# Altium PCB 主板.PcbDoc (part 1 of 2)
Units mil, origin at the board's own origin, x right, y up, seen from the top; angles counter-clockwise.
Board outline 7995 x 3149.61 mil, 2 copper layers (Top Layer, Bottom Layer); 88 components, 104 nets, 424 pads, 124 vias.
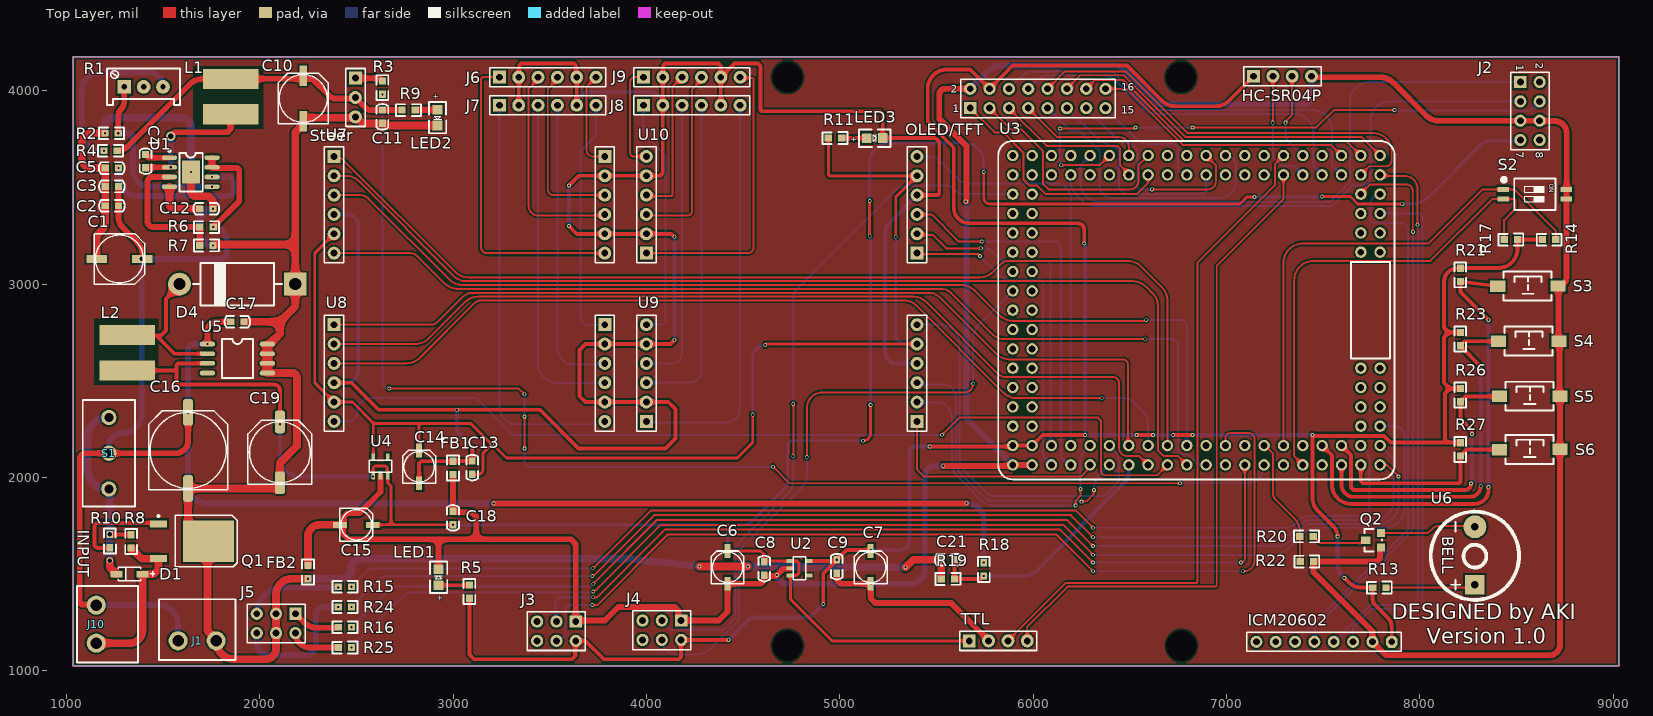
[diagram p0: Top Layer view]
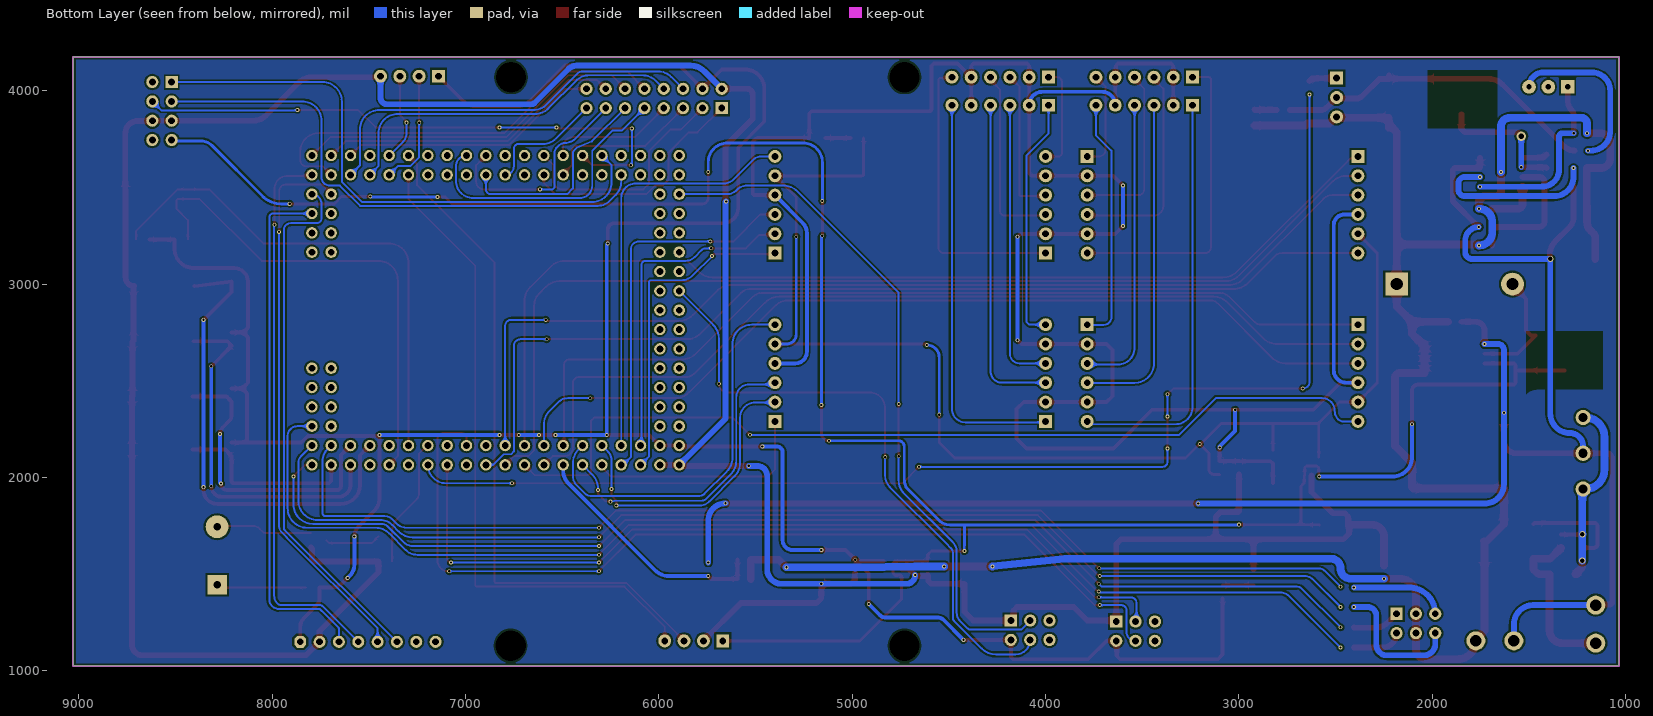
[diagram p1: Bottom Layer view, seen from below]

## Layer stack, top to bottom
Top Solder: solder mask 0.4, Solder Resist, Dk 3.5
Top Layer: signal copper 1.4
Dielectric 1: dielectric 12.6, FR-4, Dk 4.8
Bottom Layer: signal copper 1.4
Bottom Solder: solder mask 0.4, Solder Resist, Dk 3.5

## Board outline
1035,1025 1035,4174.61 9030,4174.61 9030,1025

## Design rules (kind name [scope] priority, off if disabled: settings)
Clearance [All] p1: gap=10 ignorepadtopadclearanceinfootprint=FALSE except(0: Arc-Hole Track-Hole SMDPad-Hole THPad-Hole Via-Hole Fill-Hole Poly-Hole Region-Hole Text-Hole)
DiffPairsRouting [All] p1: maxlimit=10 minlimit=5 mostfreqgap=10 toplayer_minwidth=15 toplayer_maxwidth=15 toplayer_prefwidth=15 bottomlayer_minwidth=15 bottomlayer_maxwidth=15 bottomlayer_prefwidth=15 maxuncoupledlength=500
HoleToHoleClearance [All] p1: gap=0 allowstackedmicrovias=TRUE
MinimumSolderMaskSliver [All] p1: minsoldermaskwidth=0
PolygonConnect [All] p1: connectstyle=Relief reliefconductorwidth=10 reliefentries=4 polygonreliefangle="90 Angle" airgapwidth=10
RoutingVias [All] p1: holewidth=28 width=50 viastyle="Through Hole" minholewidth=28 minwidth=50 maxholewidth=28 maxwidth=50
SilkToSilkClearance [All] p1: silktosilkclearance=0
SilkToSolderMaskClearance [IsPad] p1: minsilkscreentomaskgap=0 clearancetoexposedcopper=TRUE
SolderMaskExpansion [All] p1: expansion=4 istentingtop=FALSE
Width [All] p1: maxlimit=50 minlimit=10 preferedwidth=10
25 further rules are at their usual default settings.

## Components (designator, comment, footprint, x,y, rotation, side; value= is the part's Value field where it differs from the comment)
C1 "25V 100uF" "电解电容25v 100uf" 1275,3130 r180 top
C2 "100nF" C0603 1201,3405 r0 top
C3 "10uF" C0603 1201,3505 r0 top
C4 "100nF" C0603 1410,3601 r90 top
C5 "1uF" C0603 1270,3600 r180 top
C6 "10uF 16V" "电解电容16V 10uf" 4420,1535 r270 top
C7 "10uF 16V" "电解电容16V 10uf" 5160,1535 r270 top
C8 "100nF" C0603 4610,1564 r270 top
C9 "100nF" C0603 4985,1574 r270 top
C10 "16V 220uF" "电解电容16v 220uf" 2225,3960 r270 top
C11 "100nF" C0603 2635,3900 r270 top
C12 "100nF" C0603 1759,3390 r180 top
C13 "100nF" C0603 3100,2016 r90 top
C14 "16V 10uF" "电解电容16V 10uf" 2825,2055 r270 top
C15 "16V 10uF" "电解电容16V 10uf" 2500,1755 r180 top
C16 "470uF 35V" "电解电容470uf 35V" 1630,2140 r270 top
C17 "1uF" C0603 1850,2805 r0 top
C18 "100nF" C0603 3000,1756 r90 top
C19 "220uF 35V" "电解电容220 35" 2105,2130 r270 top
C21 "100nF" C0603 5594,1575 r180 top
D1 "BZT52C16" SOD123（BZT52C) 1393.86,1500 r0 top
D4 "1N5820" DO-201AD（1N5820） 1885,3000 r180 top
FB1 "0R" R0603 3000,2084 r270 top
FB2 "0R" R0603 2250,1476 r90 top
HC-SR04P "Header4" 超声波 7290,4075 r0 top
ICM20602 "Header8" ICM20602 7855,1150 r180 top
J1 "电机" 螺柱 1775,1155 r180 top
J2 "Header4*2" 外部串口2*4 8570,3895 r270 top
J3 "Header 3*2" 编码器2*3 3535,1205 r180 top
J4 "Header 3*2" 编码器2*3 4080,1210 r180 top
J5 "Header 3*2" 电机信号 2085,1245 r180 top
J6 "Header6" 电磁接口1*6 3490,4070 r0 top
J7 "Header6" 电磁接口1*6 3490,3925 r0 top
J8 "Header6" 电磁接口1*6 4235,3925 r0 top
J9 "Header6" 电磁接口1*6 4235,4070 r0 top
J10 "电源接入插头" 螺柱 1155,1143.15 r90 top
L1 "3.3uH" 贴片电感7*7 1850,3970 r90 top
L2 "68uH 3A" 贴片电感7*7 1315,2645 r90 top
LED1 "红色" LED0805 2925.2,1442.7 r90 top
LED2 "红色" LED0805 2919.8,3902.3 r270 top
LED3 "红色" LED0805 5140,3755 r0 top
OLED/TFT "Header8*2" OLED 6025,3960 r0 top
Q1 "IRF3710" TO252 1650,1670 r0 top
Q2 "S8050" SOT23（S8050） 7800.63,1633.12 r90 top
R1 "100K" 电位器 1400,4020 r0 top
R2 "15K" R0603 1269,3780 r180 top
R3 "1K" R0603 2635,4050 r270 top
R4 "100K" R0603 1195,3690 r0 top
R5 "2.7K" R0603 3085,1444 r270 top
R6 "10K" R0603 1691,3295 r0 top
R7 "10K" R0603 1690,3200 r0 top
R8 "100K" R0603 1335,1635 r90 top
R9 "10K" R0603 2736,3900 r0 top
R10 "1K" R0603 1225,1636 r90 top
R11 "2.7K" R0603 5010,3755 r180 top
R13 "10R" R0603 7825,1430 r180 top
R14 "4.7K" R0603 8635,3230 r0 top
R15 "100R" R0603 2406,1435 r0 top
R16 "100R" R0603 2475,1225 r180 top
R17 "4.7K" R0603 8505,3230 r180 top
R18 "200K" R0603 5745,1490 r90 top
R19 "100K" R0603 5525,1475 r0 top
R20 "4.7K" R0603 7449,1695 r180 top
R21 "4.7K" R0603 8210,3082.75 r270 top
R22 "10K" R0603 7450,1565 r180 top
R23 "4.7K" R0603 8210,2750 r270 top
R24 "100R" R0603 2406,1330 r0 top
R25 "100R" R0603 2475,1120 r180 top
R26 "4.7K" R0603 8210,2460 r270 top
R27 "4.7K" R0603 8210,2180 r270 top
S1 "ON/OFF" 总开关2 1220,2125 r90 top
S2 "" 拨码开关2pin 8595,3465 r270 top
S3 "" 微动开关 8560,2990 r0 top
S4 "" 微动开关 8565,2705 r0 top
S5 "" 微动开关 8570,2420 r0 top
S6 "" 微动开关 8570,2145 r0 top
Steer "Header3" 舵机1*3 2495,3965 r270 top
TTL "Header4" TTL 5820,1155 r0 top
U1 "SY8205FCC" SO8E（SY8205） 1533.77,3653.8 r0 top
U2 "RT9013-33" SOT23-5（RT9013） 4745,1567.4 r270 top
U3 "TC364_CoreBoard" TC364_CoreBoard 5895,2065 r90 top
U4 "RT9013-33" SOT23-5（RT9013） 2587.6,2010 r0 top
U5 "LX1509" SOIC8 1885,2615 r0 top
U6 "蜂鸣器" 蜂鸣器 8285,1445 r90 top
U7 "OPA MOD 1" 运放排母 3085,3410 r270 top
U8 "OPA MOD 2" 运放排母 3085,2540 r270 top
U9 "OPA MOD 3" 运放排母 4700,2540 r90 top
U10 "OPA MOD 4" 运放排母 4700,3410 r90 top

## Footprints (in the part's own frame and the unit in brackets; to place one, negate y for a bottom-side part, rotate by r counter-clockwise, add the part's x,y. Pads: shape width x height; smd on the part's side, far side on the other; paste and mask are expansions set on the pad)
C0603 [mil]
  rect 38x35 smd: 1(0,0) 2(69,0)
  silkscreen extent -31,-30 101,30, body extent 4,-16 67,16, height 12
DO-201AD（1N5820） [mm] "5.2*15.2mm(直径，脚距）"
  rect 3x3 hole 1.6: 1(-7.6,0)
  round 3 hole 1.6: 2(7.6,0)
  silkscreen extent -5.84,-2.79 5.84,2.79, body extent -8.25,-2.6 8.25,2.6, height 5.25
ICM20602 [mil]
  oct 62x62 hole 35: 1(0,0)
  round 62 hole 35: 2(100,0) 3(200,0) 4(300,0) 5(400,0) 6(500,0) 7(600,0) 8(700,0)
  silkscreen extent -50,-50 750,50
LED0805 [mil] "1/8W"
  rect 50x50 smd: 1(0,0) 2(82.3,0.2)
  silkscreen extent -40,-45 122,45, body extent 2,-25 80,25, height 20
OLED [mm] "双排排针，8x2脚"
  rect 1.6x1.6 hole 0.9: 1(-8.89,-1.27)
  round 1.6 hole 0.9: 2(-8.89,1.27) 3(-6.35,-1.27) 4(-6.35,1.27) 5(-3.81,-1.27) 6(-3.81,1.27) 7(-1.27,-1.27) 8(-1.27,1.27) 9(1.27,-1.27) 10(1.27,1.27) 11(3.81,-1.27) 12(3.81,1.27) 13(6.35,-1.27) 14(6.35,1.27) 15(8.89,-1.27) 16(8.89,1.27)
  silkscreen extent -10.16,-2.54 10.16,2.54, body extent -10.16,-2.54 10.16,2.54, height 8.5
R0603 [mil] "1/10W"
  rect 38x35 smd: 1(0,0) 2(69,0)
  silkscreen extent -30,-31 99,30, body extent 4,-16 66,16, height 18
SO8E（SY8205） [mil]
  oval 80x24 smd: 1(0,0) 2(0,-50) 3(0,-100) 4(0,-150) 5(220,-150) 6(220,-100) 7(220,-50) 8(220,0)
  rect 90.55x117.72 smd: 9(111.23,-73.8)
  silkscreen extent -5,-175 172,40, body extent -8,-173 230,25, height 63
SOD123（BZT52C) [mm] "1206"
  rect 1.6x0.85 smd: 1(0,0) 2(-3.4,0)
  silkscreen extent -3.15,-0.9 1.6,0.9, body extent -3.6,-0.85 0.25,0.85, height 1.42
SOIC8 [mil]
  oval 80x24 smd: 1(-155,75) 2(-155,25) 3(-155,-25) 4(-155,-75) 5(155,-75) 6(155,-25) 7(155,25) 8(155,75)
  silkscreen extent -80,-100 80,100, body extent -167,-106 163,106, height 91
SOT23-5（RT9013） [mm]
  rect 0.5x1 smd: 1(0,0) 2(0.95,0) 3(1.9,0) 4(1.9,2.4) 5(0,2.4)
  silkscreen extent -0.55,0.4 2.45,2, body extent -0.5,-0.2 2.4,2.6, height 1.09
SOT23（S8050） [mil]
  rect 40x40 smd: 1(4.88,0.63) 3(79.88,0.63)
  rect 40x50 smd: 2(41.88,80.63)
  silkscreen extent -15,-4 100,86, body extent -15,-11 99,99, height 47
TC364_CoreBoard [mm] "逐飞科技TC364核心板"
  round 1.5 hole 0.9: 1(0,0) 2(2.54,0) 3(0,-2.54) 4(2.54,-2.54) 5(0,-5.08) 6(2.54,-5.08) 7(0,-7.62) 8(2.54,-7.62) 9(0,-10.16) 10(2.54,-10.16) 11(0,-12.7) 12(2.54,-12.7) 13(0,-15.24) 14(2.54,-15.24) 15(0,-17.78) 16(2.54,-17.78) 17(0,-20.32) 18(2.54,-20.32) 19(0,-22.86) 20(2.54,-22.86) 21(0,-25.4) 22(2.54,-25.4) 23(0,-27.94) 24(2.54,-27.94) 25(0,-30.48) 26(2.54,-30.48) 27(0,-33.02) 28(2.54,-33.02) 29(0,-35.56) 30(2.54,-35.56) 31(0,-38.1) 32(2.54,-38.1) 33(0,-40.64) 34(2.54,-40.64) 35(0,-43.18) 36(2.54,-43.18) 37(0,-45.72) 38(2.54,-45.72) 39(0,-48.26) 40(2.54,-48.26) 41(5.08,-48.26) 42(5.08,-45.72) 43(7.62,-48.26) 44(7.62,-45.72) 45(10.16,-48.26) 46(10.16,-45.72) 47(12.7,-48.26) 48(12.7,-45.72) 49(27.94,-45.72) 50(27.94,-48.26) 51(30.48,-45.72) 52(30.48,-48.26) 53(33.02,-45.72) 54(33.02,-48.26) 55(35.56,-45.72) 56(35.56,-48.26) 57(38.1,-48.26) 58(40.64,-48.26) 59(38.1,-45.72) 60(40.64,-45.72) 61(38.1,-43.18) 62(40.64,-43.18) 63(38.1,-40.64) 64(40.64,-40.64) 65(38.1,-38.1) 66(40.64,-38.1) 67(38.1,-35.56) 68(40.64,-35.56) 69(38.1,-33.02) 70(40.64,-33.02) 71(38.1,-30.48) 72(40.64,-30.48) 73(38.1,-27.94) 74(40.64,-27.94) 75(38.1,-25.4) 76(40.64,-25.4) 77(38.1,-22.86) 78(40.64,-22.86) 79(38.1,-20.32) 80(40.64,-20.32) 81(38.1,-17.78) 82(40.64,-17.78) 83(38.1,-15.24) 84(40.64,-15.24) 85(38.1,-12.7) 86(40.64,-12.7) 87(38.1,-10.16) 88(40.64,-10.16) 89(38.1,-7.62) 90(40.64,-7.62) 91(38.1,-5.08) 92(40.64,-5.08) 93(38.1,-2.54) 94(40.64,-2.54) 95(38.1,0) 96(40.64,0) 97(35.56,-2.54) 98(35.56,0) 99(33.02,-2.54) 100(33.02,0) 101(30.48,-2.54) 102(30.48,0) 103(27.94,-2.54) 104(27.94,0) 105(25.4,-2.54) 106(25.4,0) 107(22.86,-2.54) 108(22.86,0) 109(20.32,-2.54) 110(20.32,0) 111(17.78,-2.54) 112(17.78,0) 113(15.24,-2.54) 114(15.24,0) 115(12.7,-2.54) 116(12.7,0) 117(10.16,-2.54) 118(10.16,0) 119(7.62,-2.54) 120(7.62,0) 121(5.08,-2.54) 122(5.08,0)
  silkscreen extent -1.91,-50.16 42.55,1.91
TO252 [mm] "D-PAK  / SOT-428"
  rect 2.2x0.95 smd: 1(-4.4,2.28) 3(-4.4,-2.28)
  rect 6.7x5.5 smd: 2(2.15,0)
  silkscreen extent -4.52,-3.35 5.94,3.43, body extent -4.47,-3.3 4.78,3.3, height 2.31
TTL [mm] "排针，4脚"
  rect 1.7x1.7 hole 0.9: 1(-3.81,0)
  round 1.7 hole 0.9: 2(-1.27,0) 3(1.27,0) 4(3.81,0)
  silkscreen extent -5.08,-1.27 5.08,1.27, body extent -5.08,-1.27 5.08,1.27, height 8.5
外部串口2*4 [mm] "双排排针，4x2脚"
  rect 1.6x1.6 hole 0.9: 1(-3.81,-1.27)
  round 1.6 hole 0.9: 2(-3.81,1.27) 3(-1.27,-1.27) 4(-1.27,1.27) 5(1.27,-1.27) 6(1.27,1.27) 7(3.81,-1.27) 8(3.81,1.27)
  silkscreen extent -5.08,-2.54 5.08,2.54, body extent -5.08,-2.54 5.08,2.54, height 8.5
微动开关 [mm] "3*6*2.5mm"
  rect 2x1.5 smd: 1(-3.996,-0.02) 2(3.937,0)
  silkscreen extent -3.21,-1.9 3.09,1.9, body extent -4,-1.88 4,1.62, height 2.59
总开关2 [mm] "脚距3mm"
  round 2 hole 1.2: 1(-4.7,0) 2(0,0) 3(4.7,0)
  silkscreen extent -7,-3.43 7,3.43, body extent -7,-3.1 7,3.1, height 9.65
拨码开关2pin [mm] "长：4.14mm，宽：5.4mm，高：2.3mm"
  rect 0.65x1.5 smd: 1(-0.635,-4.15) 2(0.635,-4.15) 3(0.635,4.15) 4(-0.635,4.15)
  silkscreen extent -2.15,-4.31 2.07,2.7, body extent -2.07,-4.35 2.07,4.35, height 2.35
电位器 [mm] "Precise Multi-Winding Adjustable Resistor"
  rect 1.8x1.8 hole 0.7: 1(-2.54,0)
  round 1.8 hole 0.7: 2(0,0) 3(2.54,0)
  silkscreen extent -4.8,-2.4 4.8,2.4, body extent -4.75,-2.4 4.75,2.4, height 11.52
电机信号 [mm] "双排排针，3x2脚"
  rect 1.6x1.6 hole 0.9: 1(-2.54,-1.27)
  round 1.6 hole 0.9: 2(-2.54,1.27) 3(0,-1.27) 4(0,1.27) 5(2.54,-1.27) 6(2.54,1.27)
  silkscreen extent -3.81,-2.54 3.81,2.54, body extent -3.81,-2.54 3.81,2.54, height 8.5
电磁接口1*6 [mm] "排针，6脚"
  rect 1.7x1.7 hole 0.9: 1(-6.35,0)
  round 1.7 hole 0.9: 2(-3.81,0) 3(-1.27,0) 4(1.27,0) 5(3.81,0) 6(6.35,0)
  silkscreen extent -7.62,-1.27 7.62,1.27, body extent -7.62,-1.27 7.62,1.27, height 8.5
"电解电容16V 10uf" [mm] "直径4mm（蒜米工坊）"
  rect 1.8x0.8 smd: 1(-2.15,0) 2(2.15,0)
  silkscreen extent -2.15,-2.15 2.15,2.15, body extent -2.29,-2.16 2.31,2.14, height 5.2
"电解电容16v 220uf" [mm] "直径6.3mm（蒜米工坊）"
  rect 2.7x1 smd: 1(-3,0) 2(3,0)
  silkscreen extent -3.3,-3.3 3.3,3.3, body extent -3.5,-3.3 3.5,3.3, height 5.2
"电解电容25v 100uf" [mm] "直径6.3mm（蒜米工坊）"
  rect 2.7x1 smd: 1(-3,0) 2(3,0)
  silkscreen extent -3.3,-3.3 3.3,3.3, body extent -3.5,-3.3 3.5,3.3, height 5.2
"电解电容220 35" [mm] "直径8mm（蒜米工坊）"
  rrect50% 3x1.3 smd: 1(-4,0) 2(4,0)
  silkscreen extent -4.2,-4.2 4.2,4.2, body extent -4.52,-4.22 4.48,4.08, height 10.5
"电解电容470uf 35V" [mm] "直径10mm（蒜米工坊）"
  rrect50% 3.5x1.3 smd: 1(-5,0) 2(5,0)
  silkscreen extent -5.2,-5.2 5.2,5.2, body extent -5.77,-5.12 5.83,5.18, height 10.21
编码器2*3 [mm] "双排排针，3x2脚"
  rect 1.6x1.6 hole 0.9: 1(-2.54,-1.27)
  round 1.6 hole 0.9: 2(-2.54,1.27) 3(0,-1.27) 4(0,1.27) 5(2.54,-1.27) 6(2.54,1.27)
  silkscreen extent -3.81,-2.54 3.81,2.54, body extent -3.81,-2.54 3.81,2.54, height 8.5
舵机1*3 [mm] "排针，3脚"
  rect 1.7x1.7 hole 0.9: 1(-2.54,0)
  round 1.7 hole 0.9: 2(0,0) 3(2.54,0)
  silkscreen extent -3.81,-1.27 3.81,1.27, body extent -3.81,-1.27 3.81,1.27, height 8.5
蜂鸣器 [mm]
  rect 2.54x2.54 hole 1: 1(0,0)
  round 3 hole 1: 2(7.62,0)
  silkscreen extent -1.99,-5.8 9.61,5.8
螺柱 [mm]
  round 2.5 hole 1.5: 1(0,0) 2(5,0)
  silkscreen extent -2.54,-5.46 7.49,2.54, body extent -2.5,-5.5 7.5,2.5, height 11
贴片电感7*7 [mm] "POWER INDUCTOR 5uH"
  rect 2.65x7.3 smd: 1(-2.325,0) 2(2.325,0)
  body extent -3.36,-3.33 3.34,3.37, height 2.9
超声波 [mm] "排针，4脚"
  rect 1.7x1.7 hole 0.9: 1(-3.81,0)
  round 1.7 hole 0.9: 2(-1.27,0) 3(1.27,0) 4(3.81,0)
  silkscreen extent -5.08,-1.27 5.08,1.27, body extent -5.08,-1.27 5.08,1.27, height 8.5
运放排母 [mm] "圆孔排母，6脚"
  rect 1.7x1.7 hole 0.9: 1(-6.35,17.78) 12(-6.35,-17.78)
  round 1.7 hole 0.9: 2(-3.81,17.78) 3(-1.27,17.78) 4(1.27,17.78) 5(3.81,17.78) 6(6.35,17.78) 7(6.35,-17.78) 8(3.81,-17.78) 9(1.27,-17.78) 10(-1.27,-17.78) 11(-3.81,-17.78)
  silkscreen extent -7.62,-19.05 7.62,19.05, body extent -7.62,-19.05 7.62,19.05, height 4.31

## Part data
C1 C6 C7 C10 C14 C15: library part ECAP
C2 C3 C5 C8 C9 C11 C12 C13 C17 C18 C21: library part 普通电容, "Capacitor"
C4: library part C_0603
C16 C19: library part 电解电容, "Capacitor"
D1: library part 稳压二极管, "Zener Diode"
D4: library part 1N5819, "Zener Diode"
FB1 FB2 R2 R3 R4 R5 R6 R7 R9 R11 R13 R14 R15 R16 R17 R18 R19 R20 R21 R22 R23 R24 R25 R26 R27: library part R_0603
HC-SR04P TTL: library part CON4, "Connector"
ICM20602: library part CON8, "Connector"
J6 J7 J8 J9: library part CON6, "Connector"
L1 L2: library part L1
LED1 LED2 LED3: library part LED-3MM, "插件LED", BOM名称=插件LED, 学习资源=www.ooocke.com, 版权归属=源创客
Q1: "N沟场效应管", BOM名称=N沟场效应管, 学习资源=www.ooocke.com, 版权归属=源创客
Q2: library part NPN, "NPN Transistor"
R1: library part RESVR, "Potentiometer"
R8 R10: library part RES
S1: library part 双刀单柄开关
S2: library part 2位拨码开关, "DIP Switch"
S3 S4 S5 S6: library part 微动开关
Steer: library part CON3, "Connector"
U3: "逐飞科技TC364核心板"
U6: "Bell"
U7 U8 U9 U10: library part "OPA MOD"

## Free pads (board coordinates)
  round 60 hole 157.48 unplated: 5(4730,1130) 5(4730,4070) 5(6765,4070) 5(6767.35,1129.67)

## Via types
v1: diameter 19.68, hole 11.81, Top Layer to Bottom Layer, 120 vias
v2: diameter 31.5, hole 23.62, Top Layer to Bottom Layer, 3 vias
v3: diameter 50, hole 30, Top Layer to Bottom Layer, 1 vias

## Nets (pads, with @x,y where several pads share a name; then routed paths per layer and width w, separated by ;. In a path a pad name is that pad's centre, name@x,y a point inside that pad or via, vN(x,y) a via of type N, cw(c..) or ccw(c..) an arc to the next point about the centre after c; other vN are vias at no path point)
00.9: J4.4 U3.108 | length 3238.3
  Top Layer w10: v1(4830,2105) 4830,2358.58 cw(c4911.42,2358.58) 4911.42,2440 4980,2440 5645,2440 ccw(c5645,2485) v1(5690,2485)
  Bottom Layer w10: J4.4@4080,1160 ccw(c4155,1160) 4155,1085 4257.57,1085 ccw(c4257.57,1187.43) 4330,1115 4475,1260 ; 4474.82,1260.18 ccw(c4462.32,1272.68) 4480,1272.68 4480,1610.86 cw(c4514.14,1610.86) 4490,1635 4515,1660 4805.25,1950.25 ccw(c4745.5,2010) 4830,2010 v1(4830,2105) ; v1(5690,2485) 5690,2718.58 cw(c5790,2718.58) 5719.29,2789.29 U3.108@5895,2965
02.8: J4.3 U3.98 | length 3591.2
  Top Layer w10: v1(4760,2110) v1(4760,2380)
  Bottom Layer w10: J4.3@4080,1260 4126.5,1213.5 4389.32,1213.5 ccw(c4389.32,1235.68) 4405,1220 4442.32,1257.32 ccw(c4399.64,1300) 4460,1300 4460,1615 cw(c4532.43,1615) 4481.21,1666.21 4731.72,1916.72 ccw(c4663.43,1985) 4760,1985 v1(4760,2110) ; v1(4760,2380) 4760,2955 5285.71,3480.71 cw(c5356.42,3410) 5356.42,3510 5545,3510 cw(c5545,3439.2) 5595.06,3489.26 5597.64,3486.69 ccw(c5650,3539.05) 5650,3465 U3.98@5895,3465
10.2: J2.4 U3.86 | length 2999.9
  Top Layer w10: v1(6140,3805) 6525,3805 v1(6530,3810) ; v1(6145,3615) 6345,3615 U3.86@6395,3665 ; v1(6825,3810) 7465,3810 7555,3900 v1(7870,3900)
  Bottom Layer w10: v1(6140,3805) 6140,3622.62 6145,3617.62 v1(6145,3615) ; v1(6530,3810) v1(6825,3810) ; v1@7871.5,3898.5 8573.5,3898.5 J2.4@8620,3945
10.5: J2.1 U3.88 | length 3009.4
  Bottom Layer w10: U3.88@6295,3665 6245,3615 6245,3525 ccw(c6345,3525) 6345,3425 6410,3425 7536.72,3425 7640,3528.28 7640,3945 cw(c7740,3945) 7740,4045 J2.1@8520,4045
10.6: J2.3 U3.89 | length 2844.8
  Bottom Layer w10: U3.89@6195,3565 6195,3532.13 6195,3532.07 ccw(c6296.57,3532.07) 6224.7,3460.3 6255,3430 ccw(c6315.35,3490.35) 6315.35,3405 6415,3405 7545,3405 7649.53,3509.53 7702.5,3509.53 ccw(c7702.5,3552.03) 7745,3552.03 7745,3845 cw(c7845,3845) 7845,3945 J2.3@8520,3945
11.9: OLED/TFT.1 U3.81 | length 1251.5
  Top Layer w10: OLED/TFT.1@5675,3910 5800.75,3784.25 5845.75,3784.25 5950.47,3679.53 5950.47,3539.53 5980,3510 6020,3510 6065,3465 6535.57,3465 6595,3524.43 U3.81@6595,3565
11.10: OLED/TFT.3 U3.82 | length 1219.9
  Top Layer w10: OLED/TFT.3@5775,3910 5885.07,3799.93 5940.07,3799.93 6050.47,3689.53 6050.47,3519.53 6080,3490 6500,3490 ccw(c6500,3535) 6545,3535 6545,3615 U3.82@6595,3665
11.11: OLED/TFT.5 U3.83 | length 815.6
  Top Layer w10: OLED/TFT.5@5875,3910 6070,3715 6435,3715 6450.47,3699.53 6450.47,3614.53 6495,3570 U3.83@6495,3565
11.12: OLED/TFT.7 U3.84 | length 655.7
  Top Layer w10: OLED/TFT.7@5975,3910 6125,3760 6445,3760 cw(c6445,3710) 6495,3710 U3.84@6495,3665
13.0: OLED/TFT.9 U3.74 | length 1496
  Bottom Layer w10: OLED/TFT.9@6075,3910 6190.07,3794.93 6240.07,3794.93 6345,3690 6345,3510 ccw(c6410,3510) 6410,3445 6960,3445 ccw(c6960,3535) 7050,3535 7050,3610 ccw(c6995,3610) U3.74@6995,3665
13.1: OLED/TFT.11 U3.75 | length 1097.3
  Bottom Layer w10: OLED/TFT.11@6175,3910 6346.52,3738.48 6423.66,3706.82 6438.32,3692.16 cw(c6422.18,3676.03) 6445,3676.03 6445,3495 6475,3465 6870,3465 ccw(c6870,3490) 6895,3490 U3.75@6895,3565
13.2: OLED/TFT.13 U3.76 | length 1129.9
  Top Layer w10: v1(6615,3490) 6905,3490 ccw(c6905,3530) 6945,3530 6945,3615 U3.76@6895,3665
  Bottom Layer w10: OLED/TFT.13@6275,3910 6433.79,3751.21 ccw(c6485,3802.43) 6485,3730 cw(c6485,3681.72) 6519.14,3715.86 6528.86,3706.14 cw(c6501.96,3679.24) 6540,3679.24 6540,3500 6550,3490 v1(6615,3490)
13.3: OLED/TFT.15 U3.77 | length 622.5
  Bottom Layer w10: OLED/TFT.15@6375,3910 6532.5,3752.5 ccw(c6598.89,3818.89) 6598.89,3725 6725,3725 cw(c6725,3699.53) 6750.47,3699.53 6750.47,3609.53 ccw(c6795,3609.53) U3.77@6795,3565
14.0: TTL.4 U3.67 | length 3406.6
  Top Layer w10: TTL.4@5970,1155 5970,1226.72 6178.28,1435 6940,1435 ccw(c6940,1445) 6950,1445 6950,3095 7295,3440 U3.67@7295,3565
14.1: TTL.3 U3.68 | length 3496.1
  Top Layer w10: TTL.3@5870,1155 6170,1455 6844.14,1455 ccw(c6844.14,1460.86) 6850,1460.86 6850,3110 7250.47,3510.47 7250.47,3620.47 U3.68@7295,3665
15.0: OLED/TFT.12 U3.58 | length 1820.9
  Top Layer w10: OLED/TFT.12@6175,4010 6245,4080 6469.85,4080 6789.85,3760 7700,3760 U3.58@7795,3665
15.1: OLED/TFT.10 U3.59 | length 2245
  Top Layer w10: OLED/TFT.10@6075,4010 6165,4100 6479.64,4100 6798.86,3780.78 7759.22,3780.78 cw(c7759.22,3685) 7855,3685 7855,3640 cw(c7824.53,3640) 7824.53,3609.53 7739.53,3609.53 U3.59@7695,3565
15.2: OLED/TFT.14 U3.60 | length 1601.4
  Top Layer w10: OLED/TFT.14@6275,4010 6321.5,4056.5 6465.07,4056.5 6781.57,3740 7620,3740 U3.60@7695,3665
15.3: OLED/TFT.6 U3.61 | length 2093.6
  Bottom Layer w10: OLED/TFT.6@5875,4010 5936.72,4071.72 cw(c6005,4003.43) 6005,4100 6395,4100 cw(c6395,4063.79) 6420.61,4089.39 6581.72,3928.28 ccw(c6650,3996.57) 6650,3900 7446.01,3900 cw(c7446.01,3800) 7546.01,3800 7546.01,3613.99 U3.61@7595,3565
15.4: OLED/TFT.16 U3.62 | length 1362.9
  Top Layer w10: OLED/TFT.16@6375,4010 6483.28,4010 6773.28,3720 7540,3720 U3.62@7595,3665
15.5: OLED/TFT.8 U3.63 | length 1865.2
  Bottom Layer w10: OLED/TFT.8@5975,4010 6015.71,4050.71 cw(c6086.42,3980) 6086.42,4080 6360,4080 cw(c6360,3983.43) 6428.28,4051.72 6571.72,3908.28 ccw(c6640,3976.57) 6640,3880 7350.47,3880 cw(c7350.47,3780) 7450.47,3780 7450.47,3609.53 U3.63@7495,3565
15.7: HC-SR04P.2 U3.65 | length 611.1
  Top Layer w10: v1(7240,3835) HC-SR04P.2@7240,4075
  Bottom Layer w10: v1(7240,3835) 7240,3657.03 7286.56,3610.47 7349.53,3610.47 U3.65@7395,3565
15.8: HC-SR04P.3 U3.66 | length 454.2
  Top Layer w10: v1@7305,3840 7340,3875 HC-SR04P.3@7340,4075
  Bottom Layer w10: v1(7305,3835) 7305,3780 ccw(c7365.36,3780) 7322.68,3737.32 U3.66@7395,3665
20.11: ICM20602.3 U3.54 | length 2706.5
  Bottom Layer w10: ICM20602.3@7655,1150 7655,1217.57 cw(c7665,1217.57) 7657.94,1224.66 7709.14,1275.86 7731.59,1298.31 7750.34,1317.06 cw(c7757.43,1310) 7757.43,1320 7875,1320 7965,1320 ccw(c7965,1370) 8015,1370 8015,3345 ccw(c7995,3345) 7995,3365 U3.54@7795,3365
20.12: ICM20602.5 U3.55 | length 2852.6
  Top Layer w10: U3.55@7695,3465 7695,3470 7740,3515 7930,3515 cw(c7930,3481.48) 7963.52,3481.48 7963.52,3271.33 v1(7964.84,3270)
  Bottom Layer w10: ICM20602.5@7455,1150 7455,1220 cw(c7464.47,1216.79) 7457.43,1223.89 7924.08,1689.19 cw(c7931.14,1682.11) 7925,1690 7950.59,1715.59 ccw(c7916.18,1750) 7964.84,1750 v1(7964.84,3270)
20.13: ICM20602.6 U3.56 | length 2754.4
  Bottom Layer w10: ICM20602.6@7355,1150 7937.06,1730.38 ccw(c7930,1737.46) 7940,1737.4 7940,1737.46 7940,1775 7940,3278.32 ccw(c7903.32,3278.32) 7903.32,3315 7770,3315 cw(c7770,3340) 7745,3340 7745,3415 cw(c7795,3415) U3.56@7795,3465
20.14: ICM20602.4 U3.57 | length 2881.3
  Top Layer w10: U3.57@7795,3565 7800,3560 7920,3560 cw(c7920,3491.64) 7988.36,3491.64 v1(7988.36,3306.64)
  Bottom Layer w10: ICM20602.4@7555,1150 7717.5,1312.5 7739.14,1334.14 cw(c7753.28,1320) 7753.28,1340 7805,1340 7957.99,1340 7960.41,1340 ccw(c7937.84,1386.67) 7989.68,1386.67 7989.69,3305.32 v1(7988.36,3306.64)
21.2: R15.2 U3.38 | length 5856.6
  Top Layer w10: v1(3722.5,1530) 3725,1530 4025,1830 6220,1830 v1(6310,1740)
  Bottom Layer w10: v1(2475,1435) 2555,1515 cw(c2591.21,1478.79) 2591.21,1530 2625,1530 v1(3722.5,1530) ; v1(6310,1740) 7306.72,1740 ccw(c7306.72,1808.28) 7355,1760 7377.32,1782.32 cw(c7420,1739.64) 7420,1800 7725,1800 ccw(c7725,1815) 7740,1815 7740,2085 ccw(c7655.5,2085) 7715.25,2144.75 U3.38@7695,2165
21.3: R16.1 U3.39 | length 6063.9
  Top Layer w10: v1(3725,1450) 4055,1780 6175,1780 v1(6310,1645) ; U3.39@7795,2065 7830,2065 v1(7890,2005)
  Bottom Layer w10: v1(2475,1225) 2675.32,1425.32 cw(c2698.69,1401.96) 2698.69,1435 3710,1435 v1(3725,1450) ; v1(6310,1645) 7275,1645 ccw(c7275,1705.36) 7317.68,1662.68 7398.76,1743.76 cw(c7437.97,1704.54) 7411.71,1753.39 cw(c7440.36,1694.64) 7440.36,1760 7790,1760 ccw(c7790,1860) 7890,1860 v1(7890,2005)
21.4: R24.2 U3.40 | length 6040.1
  Top Layer w10: v1(3720,1490) 3722.62,1490 3727.46,1494.84 3729.84,1494.84 4040,1805 6195.31,1805 v1(6310,1690.32)
  Bottom Layer w10: v1(2475,1330) 2617.32,1472.32 cw(c2660,1429.64) 2660,1490 v1(3720,1490) ; v1(6310,1690.32) 7273.89,1690.32 ccw(c7273.89,1790.32) 7344.6,1719.6 7380,1755 cw(c7440.36,1694.64) 7440.36,1780 7765.16,1780 ccw(c7765.16,1880) 7865.16,1880 7865.16,2075 ccw(c7817.25,2075) 7851.13,2108.87 U3.40@7795,2165 U3.40@7805,2165
21.5: R25.1 U3.41 | length 6405.3
  Top Layer w10: v1(3725,1410) 3727.62,1410 3732.46,1414.84 3734.84,1414.84 4075,1755 6155,1755 v1(6310,1600)
  Bottom Layer w10: v1(2475,1120) 2742.32,1387.32 cw(c2785,1344.64) 2785,1405 3717.38,1405 3722.38,1410 v1(3725,1410) ; v1(6310,1600) 7250,1600 ccw(c7250,1684.5) 7309.75,1624.75 7395.82,1710.82 cw(c7466.21,1640.5) 7466.21,1740 7820,1740 ccw(c7820,1840) 7920,1840 7920,2215 ccw(c7870,2215) 7870,2265 U3.41@7795,2265
22.0: R21.2 S3.1 U3.34 | length 2464.2
  Top Layer w20: U3.34@7495,2165 7545.47,2114.53 7545.47,1963.28 ccw(c7645.47,1963.28) 7645.47,1863.28 8283.28,1863.28 ccw(c8283.28,1935) 8355,1935 v1(8355,1950) ; v1@8355,2816 v1(8355,2815) 8210,2960 R21.2@8210,3013.75 S3.1@8402.69,2989.21
  Bottom Layer w20: v1(8355,1950) v1(8355,2815)
22.1: R23.2 S4.1 U3.35 | length 1867.6
  Top Layer w20: U3.35@7595,2065 7595,1962.43 ccw(c7657.43,1962.43) 7657.43,1900 8260,1900 ccw(c8260,1955) v1(8315,1955) ; v1(8315,2575) 8314.5,2575 8210,2679.5 R23.2@8210,2681 8210,2682.5 8231.71,2704.21 S4.1@8407.69,2704.21
  Bottom Layer w20: v1(8315,1955) v1(8315,2575)
22.2: R26.2 S5.1 U3.36 | length 1542.8
  Top Layer w10: R26.2@8210,2391 R26.2@8210,2392.5
  Top Layer w20: U3.36@7595,2165 7644.53,2115.47 7644.53,1955.47 ccw(c7665,1955.47) 7665,1935 8232.43,1935 ccw(c8232.43,1967.57) 8265,1967.57 v1(8265,1968.18) ; R26.2@8210,2391 8210,2319.14 ccw(c8244.14,2319.14) 8220,2295 8255.86,2259.14 cw(c8221.72,2225) v1(8270,2225) ; R26.2@8210,2392.5 8236.71,2419.21 S5.1@8412.69,2419.21
  Bottom Layer w20: v1(8265,1968.18) 8270,1973.18 v1(8270,2225)
22.3: R27.2 S6.1 U3.37 | length 956.4
  Top Layer w10: R27.2@8210,2111 R27.2@8210,2112.5
  Top Layer w20: U3.37@7695,2065 7695,1981.72 7706.72,1970 8198.28,1970 ccw(c8198.28,1981.72) 8210,1981.72 R27.2@8210,2111 ; R27.2@8210,2112.5 8241.71,2144.21 S6.1@8412.69,2144.21
33.6: J3.4 U3.24 | length 4874.4
  Top Layer w10: v1(3720,1340) 3745,1340 4110,1705 6120,1705 v1(6310,1515) ; U3.24@6995,2165 6995.32,2165.32 6995.32,2203.67 cw(c7021.65,2203.67) 7021.65,2230 7114.14,2230 cw(c7114.14,2199.14) 7145,2199.14 7145,1570 cw(c7090,1570) 7090,1515 v1(7085,1515)
  Bottom Layer w10: J3.4@3535,1155 ccw(c3535,1201.5) 3581.5,1201.5 3581.5,1311.5 cw(c3610,1311.5) 3610,1340 v1(3720,1340) ; v1(6310,1515) v1(7085,1515)
33.7: J3.3 U3.25 | length 4391
  Top Layer w10: v1(3725,1380) 3745,1380 4095,1730 6140,1730 v1(6310,1560) ; v1(7075,1560) ccw(c7075,1580) 7095,1580 U3.25@7095,2065
  Bottom Layer w10: J3.3@3535,1255 3530,1260 3530,1350 cw(c3560,1350) 3560,1380 v1(3725,1380) ; v1(6310,1560) v1(7075,1560)
33.9: R3.2 U3.27 | length 6532.1
  Top Layer w10: v1(2670,2460) 3340,2460 v1(3370,2430) ; v1(3370,2150) v1(3370,2314.84) ; v1(4655,2055) 4740,1970 v1(6760,1970)
  Bottom Layer w10: v1(2635,3981) 2635,2495 ccw(c2670,2495) v1(2670,2460) ; v1(3370,2150) 3370,2080 ccw(c3395,2080) 3395,2055 v1(4655,2055) ; v1(3370,2314.84) v1(3370,2430) ; v1(6760,1970) 7100,1970 ccw(c7100,2065) U3.27@7195,2065
33.10: R20.2 R22.2 U3.28 | length 673.1
  Top Layer w10: U3.28@7195,2165 7199.14,2165 7240,2124.14 7240,1920 ccw(c7288.28,1920) 7254.14,1885.86 7350.71,1789.29 cw(c7280,1718.58) 7380,1718.58 R20.2@7380,1695 7380,1566 R22.2@7381,1565
33.12: R14.2 S2.1 U3.30 | length 2660.9
  Top Layer w10: U3.30@7295,2165 7295,3109.53 cw(c7395,3109.53) 7395,3209.53 8044.53,3209.53 8325,3490 S2.1@8431.61,3490 8489.14,3490 8704,3275.14 R14.2@8704,3230
33.13: R17.2 S2.2 U3.31 | length 2538.6
  Top Layer w10: U3.31@7395,2065 7350.47,2109.53 7350.47,3020 cw(c7450.47,3020) 7450.47,3120 8055,3120 8375,3440 S2.2@8431.61,3440 8489.14,3440 8495,3434.14 8495,3390 8436,3331 R17.2@8436,3230
A0: U3.21 U7.7 | length 5274.5
  Top Layer w10: U7.7@2385,3160 2778.79,3160 cw(c2778.79,3108.79) 2814.99,3145.01 2955.71,3004.29 ccw(c3026.42,3075) 3026.42,2975 5525,2975 cw(c5525,2902.57) 5576.21,2953.79 5785.71,2744.29 ccw(c5856.42,2815) 5856.42,2715 5905,2715 v1(6580,2715)
  Bottom Layer w10: v1(6580,2715) 6715,2715 cw(c6715,2679.53) 6750.47,2679.53 6750.47,2134.53 6765,2120 6802.97,2120 6857.97,2065 U3.21@6895,2065
A1: U3.20 U7.10 | length 5316
  Top Layer w10: U7.10@2397.07,3455 cw(c2397.07,3472.07) U7.10@2385,3460 2516.72,3460 cw(c2516.72,3391.72) 2565,3440 2980.71,3024.29 ccw(c3051.42,3095) 3051.42,2995 5628.58,2995 cw(c5628.58,2895) 5699.29,2965.71 5825.71,2839.29 ccw(c5896.42,2910) 5896.42,2810 5915,2810 6577.38,2810 6582.38,2815 v1(6585,2815)
  Bottom Layer w10: v1(6585,2815) 6765,2815 cw(c6765,2785) 6795,2785 U3.20@6795,2165
A2: U3.19 U7.11 | length 5472.5
  Top Layer w10: U7.11@2385,3560 2443.58,3560 cw(c2443.58,3460) 2514.29,3530.71 3000.71,3044.29 ccw(c3071.42,3115) 3071.42,3015 6513.58,3015 cw(c6513.58,2915) 6584.29,2985.71 6620.25,2949.75 cw(c6560.5,2890) 6645,2890 6645,2140 6675,2110 6750,2110 U3.19@6795,2065
A3: U3.18 U7.12 | length 5439.9
  Top Layer w10: U7.12@2385,3660 cw(c2385,3587.57) 2436.21,3638.79 3010.71,3064.29 ccw(c3081.42,3135) 3081.42,3035 5723.58,3035 ccw(c5723.58,3135) 5794.29,3064.29 5835,3105 cw(c5871.21,3068.79) 5871.21,3120 6488.58,3120 cw(c6488.58,3020) 6559.29,3090.71 6665.71,2984.29 cw(c6595,2913.58) 6695,2913.58 U3.18@6695,2165